# KiCad board CTS-SAT-2-OBC-PCB.kicad_pcb (continued)
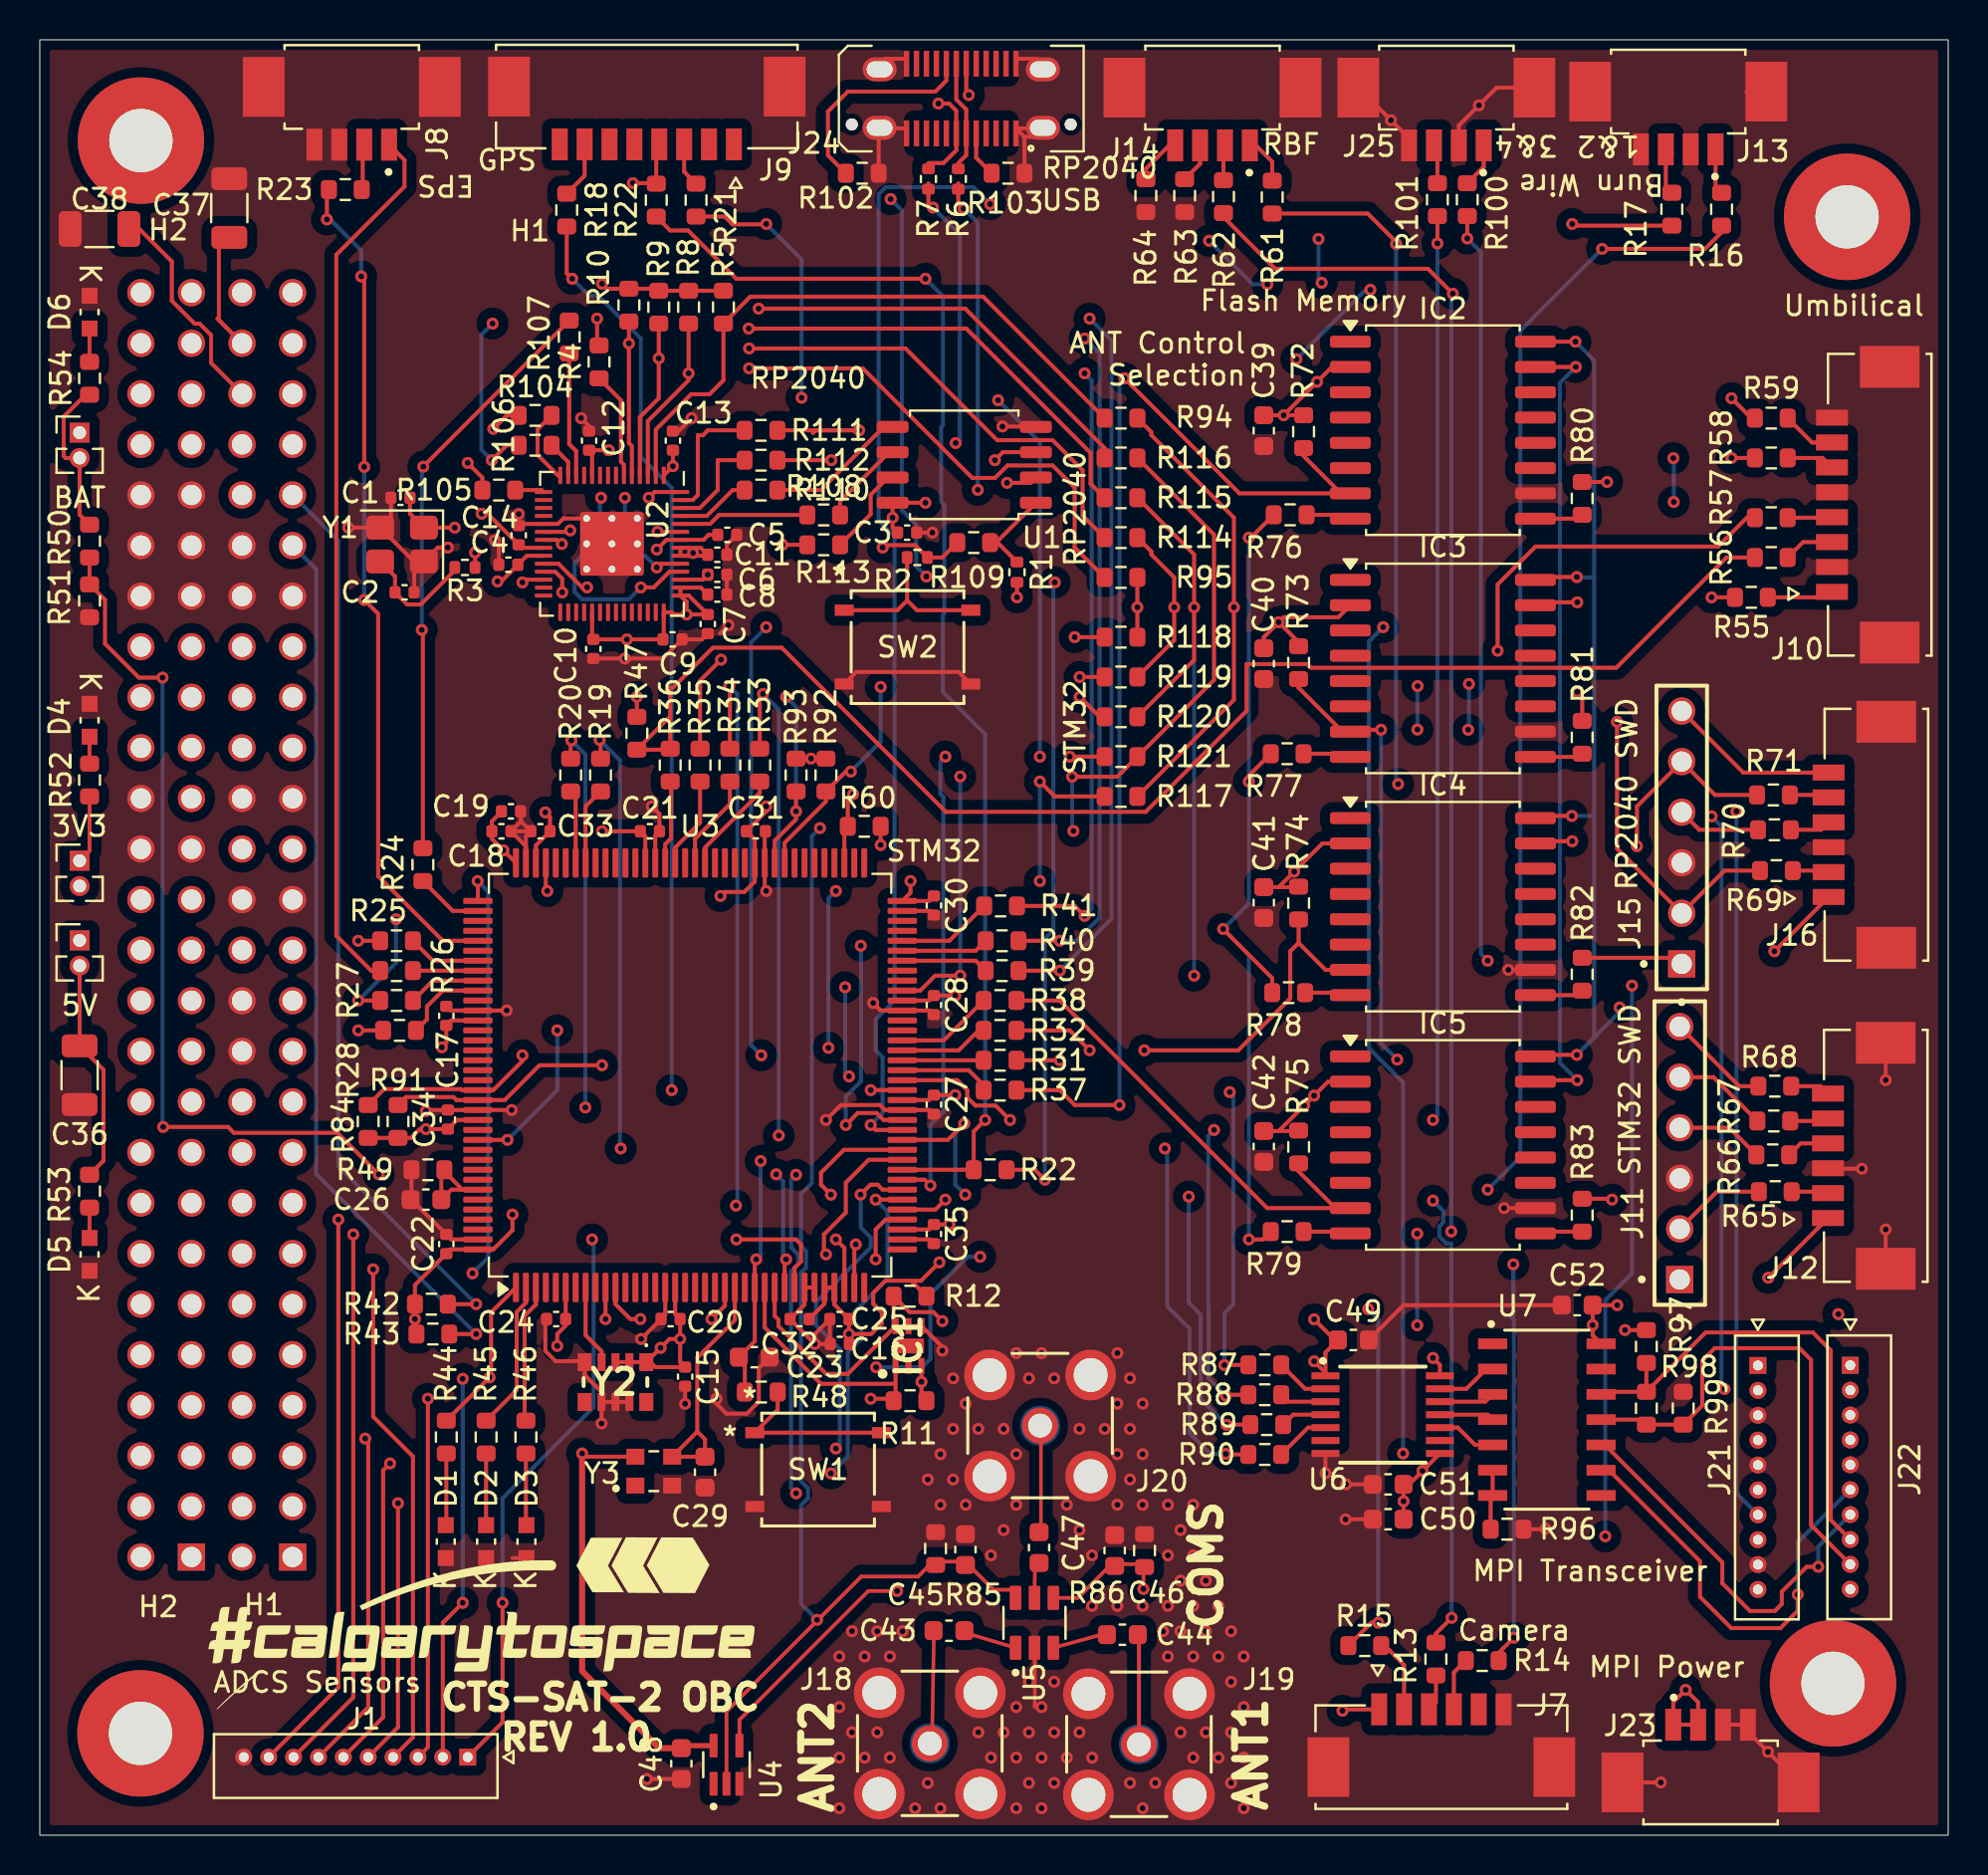
[diagram p0: board, top side]
## Library data of the parts (continued)
R61 R89 R90 = -: Description: 22 Ohms ±0.5% 0.063W, 1/16W Chip Resistor 0603 (1608 Metric) - Thin Film; COMPONENTLINK1DESCRIPTION: Datasheet; COMPONENTLINK1URL: https://www.vishay.com/docs/20035/dcrcwe3.pdf; COMPONENTLINK2DESCRIPTION: Manufacturer Website; DISTRIBUTOR: Digikey; DISTRIBUTOR PART #: RR08Q22DCT-ND; MANUFACTURER: Susumu; MANUFACTURER PART #: RR0816Q-220-D; PART DESCRIPTION: 22 Ohms ±0.5% 0.063W, 1/16W Chip Resistor 0603 (1608 Metric) - Thin Film; COMPONENTLINK2URL: https://www.vishay.com/; ki_fp_filters: *0603*
R85 R86 = -: Description: 10 kOhms ±0.1% 0.063W, 1/16W Chip Resistor 0603 (1608 Metric) - Thin Film; COMPONENTLINK1DESCRIPTION: Datasheet; COMPONENTLINK1URL: https://www.vishay.com/docs/20035/dcrcwe3.pdf; COMPONENTLINK2DESCRIPTION: Manufacturer Website; DISTRIBUTOR: Digikey; DISTRIBUTOR PART #: A119886CT-ND; MANUFACTURER: TE Connectivity Passive Product; MANUFACTURER PART #: CPF0603B10KE; PART DESCRIPTION: 10 kOhms ±0.1% 0.063W, 1/16W Chip Resistor 0603 (1608 Metric) - Thin Film; COMPONENTLINK2URL: https://www.vishay.com/; ki_fp_filters: *0603*
R96 R98 = -: Description: RES SMD 100 OHM 0.5% 1/16W 0603; DISTRIBUTOR: Digikey; DISTRIBUTOR PART #: RR08P100DCT-ND; MANUFACTURER: Susumu; MANUFACTURER PART #: RR08P100DCT-ND; PART DESCRIPTION: RES SMD 100 OHM 0.5% 1/16W 0603; ki_fp_filters: *0603*
R97 R99 = -: Description: RES SMD 1K OHM 1% 1/16W 0603; COMPONENTLINK1DESCRIPTION: Datasheet; COMPONENTLINK1URL: https://www.vishay.com/docs/20035/dcrcwe3.pdf; COMPONENTLINK2DESCRIPTION: Manufacturer Website; DISTRIBUTOR: Digikey; DISTRIBUTOR PART #: A102226CT-ND; MANUFACTURER: TE Connectivity Passive Product; MANUFACTURER PART #: CPF0603F1K0C1; PART DESCRIPTION: RES SMD 1K OHM 1% 1/16W 0603; COMPONENTLINK2URL: https://www.vishay.com/; ki_fp_filters: *0603*
SW1 SW2 = -: Description: Push button switch, generic, two pins
U1 = -: Datasheet: http://www.winbond.com/resource-files/w25q128jv_dtr%20revc%2003272018%20plus.pdf; ki_fp_filters: SOIC*5.23x5.23mm*P1.27mm*
U3 = -: Datasheet: https://www.st.com/resource/en/datasheet/stm32l4r5zi.pdf; Description: STMicroelectronics Arm Cortex-M4 MCU, 2048KB flash, 640KB RAM, 120 MHz, 1.71-3.6V, 115 GPIO, LQFP144; ki_fp_filters: LQFP*20x20mm*P0.5mm*
U4 = -: Description: IC INVERT SCHMITT 1CH 1IN SC70; DISTRIBUTOR: Digikey; MANUFACTURER: Texas Instruments; DISTRIBUTOR PART #: 296-11608-1-ND; LCSC PART #: C35740; Distributor: Digikey; Manufacturer: Texas Instruments; Distributor Part #: 296-11608-1-ND; LCSC Part #: C35740; ki_fp_filters: *U-SN74LVC1G14DCKR*
U5 = -: Description: 0Hz~4GHz 23dB 0.7dB SOT-23-6 RF Switches ROHS; MANUFACTURER: Analog Devices; MANUFACTURER PART #: HMC544AETR; DISTRIBUTOR: LCSC; DISTRIBUTOR PART #: C579555; LCSC PART #: C579555; Manufacturer: Analog Devices; Manufacturer Part #: HMC544AETR; Distributor: LCSC; Distributor Part #: C579555; LCSC Part #: C579555; ki_fp_filters: *U-HMC544AETR*
U6 = -: Description: IC TRNSLTR BIDIRECTIONAL 14TSSOP; MANUFACTURER PART #: MAX3378EEUD+T; MANUFACTURER: Maxim Integrated; DISTRIBUTOR: Digikey; DISTRIBUTOR PART #: MAX3378EEUD+TCT-ND; LCSC PART #: C143441; ki_fp_filters: *U-MAX3378EEUD+T*
U7 = -: Description: IC TRANSCEIVER FULL 1/1 14SOIC; MANUFACTURER: Maxim Integrated Products; DISTRIBUTOR: Digikey; DISTRIBUTOR PART #: MAX3086EESD+TCT-ND; TYPE: DEV; LCSC PART #: C2671104; ki_fp_filters: *U-MAX3086EESD+T*
Y1 = -: ki_fp_filters: Crystal*
Y2 = -: Datasheet: https://support.epson.biz/td/api/doc_check.php?dl=brief_TG-3541CE&lang=en; Description: 32.768 kHz TCXO CMOS Oscillator 1.5V ~ 5.5V Enable/Disable 10-SMD, No Lead; Height: 1; Mouser Part Number: 732-TG3541CE32768XB3; Mouser Price/Stock: https://www.mouser.co.uk/ProductDetail/Epson-Timing/TG-3541CE-32.7680KXB3?qs=PzGy0jfpSMvw8fWVlt%2F85g%3D%3D; Manufacturer_Name: Epson Timing; Manufacturer_Part_Number: TG-3541CE 32.7680KXB3
Y3 = -: DigiKey_Part_Number: XC2258CT-ND; SnapEDA_Link: https://www.snapeda.com/parts/ECS-TXO-2520-33-250-AN-TR/ECS/view-part/?ref=snap; Description_1: 25 MHz TCXO HCMOS Oscillator 3.3V Enable/Disable 4-SMD, No Lead; Package: SMD-4 ECS Inc.; Check_prices: https://www.snapeda.com/parts/ECS-TXO-2520-33-250-AN-TR/ECS/view-part/?ref=eda; STANDARD: Manufcaturer Recommendations; PARTREV: 2017; MF: ECS Inc.; MANUFACTURER: ECS INC

## Footprints (pads in the part's own frame, mm; a bottom-side part is the same pattern mirrored in y, then rotated)
C_0402_1005Metric
  rrect 0.56x0.62 smd: 1(-0.48,0) 2(0.48,0)
C_0603_1608Metric
  rrect 0.9x0.95 smd: 1(-0.775,0) 2(0.775,0)
C_1206_3216Metric
  rrect 1.15x1.8 smd: 1(-1.475,0) 2(1.475,0)
Crystal_SMD_3225-4Pin_3.2x2.5mm
  rrect 1.4x1.2 smd: 1(-1.1,-0.85) 2(1.1,-0.85) 3(1.1,0.85) 4(-1.1,0.85)
D-SML-D12U1WT86
  rect 0.8x0.8 smd: 1(-0.825,0) 2(0.825,0)
J-53261-0471
  rect 0.8x1.6 smd: 1(-1.875,0) 2(-0.625,0) 3(0.625,0) 4(1.875,0)
  rect 2.1x3 smd: S1(-4.425,-2.9) S2(4.425,-2.9)
J-252105
  round 2.55 hole 1.7: 0(-2.54,2.54) 0(-2.54,-2.54) 0(2.54,2.54) 0(2.54,-2.54)
  round 1.8 hole 1.2: 1(0,0)
J-0530471010
  rect 0.85x0.85 hole 0.5: 1(0,0)
  round 0.85 hole 0.5: 2(-1.25,0) 3(-2.5,0) 4(-3.75,0) 5(-5,0) 6(-6.25,0) 7(-7.5,0) 8(-8.75,0) 9(-10,0) 10(-11.25,0)
J-0532610671
  rect 0.8x1.6 smd: 1(-3.125,2.4) 2(-1.875,2.4) 3(-0.625,2.4) 4(0.625,2.4) 5(1.875,2.4) 6(3.125,2.4)
  rect 2.1x3 smd: S1(-5.675,-0.5) S2(5.675,-0.5)
J-532610871
  rect 0.8x1.6 smd: 1(-4.375,2.4) 2(-3.125,2.4) 3(-1.875,2.4) 4(-0.625,2.4) 5(0.625,2.4) 6(1.875,2.4) 7(3.125,2.4) 8(4.375,2.4)
  rect 2.1x3 smd: S1(-6.925,-0.5) S2(6.925,-0.5)
J-TSW-106-05-T-S
  rect 1.37x1.37 hole 1.02: 01(0,0)
  round 1.37 hole 1.02: 02(2.54,0) 03(5.08,0) 04(7.62,0) 05(10.16,0) 06(12.7,0)
LQFP-144_20x20mm_P0.5mm
  rrect 1.475x0.3 smd: 1(-10.662,8.75) 2(-10.662,8.25) 3(-10.662,7.75) 4(-10.662,7.25) 5(-10.662,6.75) 6(-10.662,6.25) 7(-10.662,5.75) 8(-10.662,5.25) 9(-10.662,4.75) 10(-10.662,4.25) 11(-10.662,3.75) 12(-10.662,3.25) 13(-10.662,2.75) 14(-10.662,2.25) 15(-10.662,1.75) 16(-10.662,1.25) 17(-10.662,0.75) 18(-10.662,0.25) 19(-10.662,-0.25) 20(-10.662,-0.75) 21(-10.662,-1.25) 22(-10.662,-1.75) 23(-10.662,-2.25) 24(-10.662,-2.75) 25(-10.662,-3.25) 26(-10.662,-3.75) 27(-10.662,-4.25) 28(-10.662,-4.75) 29(-10.662,-5.25) 30(-10.662,-5.75) 31(-10.662,-6.25) 32(-10.662,-6.75) 33(-10.662,-7.25) 34(-10.662,-7.75) 35(-10.662,-8.25) 36(-10.662,-8.75) 73(10.662,-8.75) 74(10.662,-8.25) 75(10.662,-7.75) 76(10.662,-7.25) 77(10.662,-6.75) 78(10.662,-6.25) 79(10.662,-5.75) 80(10.662,-5.25) 81(10.662,-4.75) 82(10.662,-4.25) 83(10.662,-3.75) 84(10.662,-3.25) 85(10.662,-2.75) 86(10.662,-2.25) 87(10.662,-1.75) 88(10.662,-1.25) 89(10.662,-0.75) 90(10.662,-0.25) 91(10.662,0.25) 92(10.662,0.75) 93(10.662,1.25) 94(10.662,1.75) 95(10.662,2.25) 96(10.662,2.75) 97(10.662,3.25) 98(10.662,3.75) 99(10.662,4.25) 100(10.662,4.75) 101(10.662,5.25) 102(10.662,5.75) 103(10.662,6.25) 104(10.662,6.75) 105(10.662,7.25) 106(10.662,7.75) 107(10.662,8.25) 108(10.662,8.75)
  rrect 0.3x1.475 smd: 37(-8.75,-10.662) 38(-8.25,-10.662) 39(-7.75,-10.662) 40(-7.25,-10.662) 41(-6.75,-10.662) 42(-6.25,-10.662) 43(-5.75,-10.662) 44(-5.25,-10.662) 45(-4.75,-10.662) 46(-4.25,-10.662) 47(-3.75,-10.662) 48(-3.25,-10.662) 49(-2.75,-10.662) 50(-2.25,-10.662) 51(-1.75,-10.662) 52(-1.25,-10.662) 53(-0.75,-10.662) 54(-0.25,-10.662) 55(0.25,-10.662) 56(0.75,-10.662) 57(1.25,-10.662) 58(1.75,-10.662) 59(2.25,-10.662) 60(2.75,-10.662) 61(3.25,-10.662) 62(3.75,-10.662) 63(4.25,-10.662) 64(4.75,-10.662) 65(5.25,-10.662) 66(5.75,-10.662) 67(6.25,-10.662) 68(6.75,-10.662) 69(7.25,-10.662) 70(7.75,-10.662) 71(8.25,-10.662) 72(8.75,-10.662) 109(8.75,10.662) 110(8.25,10.662) 111(7.75,10.662) 112(7.25,10.662) 113(6.75,10.662) 114(6.25,10.662) 115(5.75,10.662) 116(5.25,10.662) 117(4.75,10.662) 118(4.25,10.662) 119(3.75,10.662) 120(3.25,10.662) 121(2.75,10.662) 122(2.25,10.662) 123(1.75,10.662) 124(1.25,10.662) 125(0.75,10.662) 126(0.25,10.662) 127(-0.25,10.662) 128(-0.75,10.662) 129(-1.25,10.662) 130(-1.75,10.662) 131(-2.25,10.662) 132(-2.75,10.662) 133(-3.25,10.662) 134(-3.75,10.662) 135(-4.25,10.662) 136(-4.75,10.662) 137(-5.25,10.662) 138(-5.75,10.662) 139(-6.25,10.662) 140(-6.75,10.662) 141(-7.25,10.662) 142(-7.75,10.662) 143(-8.25,10.662) 144(-8.75,10.662)
OSC_ECS-TXO-2520-33-250-AN-TR
  rect 0.9x0.8 smd: 1(-0.925,-0.725) 2(0.925,-0.725) 3(0.925,0.725) 4(-0.925,0.725)
PC104 MOUNTING POINTS
  round 6.35 hole 3.18: 1(-0.71,0.006)
PC104 MOUNTING POINTS#2
  round 6.35 hole 3.18: 1(-0.022,0.034)
PinHeader_1x02_P1.27mm_Vertical
  rect 1x1 hole 0.65: 1(0,0)
  round 1 hole 0.65: 2(0,-1.27)
R_0402_1005Metric
  rrect 0.54x0.64 smd: 1(-0.51,0) 2(0.51,0)
R_0603_1608Metric
  rrect 0.8x0.95 smd: 1(-0.825,0) 2(0.825,0)
RP2040-QFN-56
  rrect 1.084x1.084 smd: (-0.637,0.637) (-0.637,-0.637) (0.637,0.637) (0.637,-0.637)
  rrect 0.875x0.2 smd: 1(-3.438,2.6) 2(-3.438,2.2) 3(-3.438,1.8) 4(-3.438,1.4) 5(-3.438,1) 6(-3.438,0.6) 7(-3.438,0.2) 8(-3.438,-0.2) 9(-3.438,-0.6) 10(-3.438,-1) 11(-3.438,-1.4) 12(-3.438,-1.8) 13(-3.438,-2.2) 14(-3.438,-2.6) 29(3.438,-2.6) 30(3.438,-2.2) 31(3.438,-1.8) 32(3.438,-1.4) 33(3.438,-1) 34(3.438,-0.6) 35(3.438,-0.2) 36(3.438,0.2) 37(3.438,0.6) 38(3.438,1) 39(3.438,1.4) 40(3.438,1.8) 41(3.438,2.2) 42(3.438,2.6)
  rrect 0.2x0.875 smd: 15(-2.6,-3.438) 16(-2.2,-3.438) 17(-1.8,-3.438) 18(-1.4,-3.438) 19(-1,-3.438) 20(-0.6,-3.438) 21(-0.2,-3.438) 22(0.2,-3.438) 23(0.6,-3.438) 24(1,-3.438) 25(1.4,-3.438) 26(1.8,-3.438) 27(2.2,-3.438) 28(2.6,-3.438) 43(2.6,3.438) 44(2.2,3.438) 45(1.8,3.438) 46(1.4,3.438) 47(1,3.438) 48(0.6,3.438) 49(0.2,3.438) 50(-0.2,3.438) 51(-0.6,3.438) 52(-1,3.438) 53(-1.4,3.438) 54(-1.8,3.438) 55(-2.2,3.438) 56(-2.6,3.438)
  round 0.6 hole 0.35: 57(-1.275,1.275) 57(-1.275,0) 57(-1.275,-1.275) 57(0,1.275) 57(0,0) 57(0,-1.275) 57(1.275,1.275) 57(1.275,0) 57(1.275,-1.275)
  rrect 3.2x3.2 smd: 57(0,0)
SAMTEC_ESQ-126-14-G-D
  rect 1.37x1.37 hole 1.02: 01(0,0)
  round 1.37 hole 1.02: 02(0,2.54) 03(-2.54,0) 04(-2.54,2.54) 05(-5.08,0) 06(-5.08,2.54) 07(-7.62,0) 08(-7.62,2.54) 09(-10.16,0) 10(-10.16,2.54) 11(-12.7,0) 12(-12.7,2.54) 13(-15.24,0) 14(-15.24,2.54) 15(-17.78,0) 16(-17.78,2.54) 17(-20.32,0) 18(-20.32,2.54) 19(-22.86,0) 20(-22.86,2.54) 21(-25.4,0) 22(-25.4,2.54) 23(-27.94,0) 24(-27.94,2.54) 25(-30.48,0) 26(-30.48,2.54) 27(-33.02,0) 28(-33.02,2.54) 29(-35.56,0) 30(-35.56,2.54) 31(-38.1,0) 32(-38.1,2.54) 33(-40.64,0) 34(-40.64,2.54) 35(-43.18,0) 36(-43.18,2.54) 37(-45.72,0) 38(-45.72,2.54) 39(-48.26,0) 40(-48.26,2.54) 41(-50.8,0) 42(-50.8,2.54) 43(-53.34,0) 44(-53.34,2.54) 45(-55.88,0) 46(-55.88,2.54) 47(-58.42,0) 48(-58.42,2.54) 49(-60.96,0) 50(-60.96,2.54) 51(-63.5,0) 52(-63.5,2.54)
SMT_FS
  rect 0.953x0.559 smd: 1(-3.181,1.854) 2(3.181,1.854) 3(-3.181,-1.854) 4(3.181,-1.854)
SOIC-8_5.23x5.23mm_P1.27mm
  rrect 1.6x0.6 smd: 1(-3.6,1.905) 2(-3.6,0.635) 3(-3.6,-0.635) 4(-3.6,-1.905) 5(3.6,-1.905) 6(3.6,-0.635) 7(3.6,0.635) 8(3.6,1.905)
SOIC-16W_7.5x10.3mm_P1.27mm
  rrect 2.05x0.6 smd: 1(-4.65,4.445) 2(-4.65,3.175) 3(-4.65,1.905) 4(-4.65,0.635) 5(-4.65,-0.635) 6(-4.65,-1.905) 7(-4.65,-3.175) 8(-4.65,-4.445) 9(4.65,-4.445) 10(4.65,-3.175) 11(4.65,-1.905) 12(4.65,-0.635) 13(4.65,0.635) 14(4.65,1.905) 15(4.65,3.175) 16(4.65,4.445)
SON65P200X200X55-7N-D
  rect 0.8x0.3 smd: 1(-1,0.65) 2(-1,0) 3(-1,-0.65) 4(1,-0.65) 5(1,0) 6(1,0.65)
  rect 0.75x1.55 smd: 7(0,0)
TG3541CE327680KXB3
  rect 0.7x0.9 smd: 1(-1.55,-1) 5(1.55,-1) 6(1.55,1) 10(-1.55,1)
  rect 0.4x0.9 smd: 2(-0.7,-1) 3(0,-1) 4(0.7,-1) 7(0.7,1) 8(0,1) 9(-0.7,1)
U-HMC544AETR
  rrect 1.21x0.58 smd: 1(-1.255,0.95) 2(-1.255,0) 3(-1.255,-0.95) 4(1.255,-0.95) 5(1.255,0) 6(1.255,0.95)
U-MAX3086EESD+T
  rect 1.46x0.533 smd: 1(-2.724,3.81) 2(-2.724,2.54) 3(-2.724,1.27) 4(-2.724,0) 5(-2.724,-1.27) 6(-2.724,-2.54) 7(-2.724,-3.81) 8(2.724,-3.81) 9(2.724,-2.54) 10(2.724,-1.27) 11(2.724,0) 12(2.724,1.27) 13(2.724,2.54) 14(2.724,3.81)
U-MAX3378EEUD+T
  rect 0.35x1.4 smd: 1(-1.95,-2.875) 2(-1.3,-2.875) 3(-0.65,-2.875) 4(0,-2.875) 5(0.65,-2.875) 6(1.3,-2.875) 7(1.95,-2.875) 8(1.95,2.875) 9(1.3,2.875) 10(0.65,2.875) 11(0,2.875) 12(-0.65,2.875) 13(-1.3,2.875) 14(-1.95,2.875)
U-SN74LVC1G14DCKR
  rrect 1.19x0.4 smd: 1(-0.96,0.65) 2(-0.96,0) 3(-0.96,-0.65) 4(0.96,-0.65) 5(0.96,0.65)
USB_C_Receptacle_JAE_DX07S024WJ3R400
  round 0.6 hole 0.6 unplated: (-5.5,1.3) (5.5,1.3)
  rect 0.27x1.3 smd: A1(-2.75,1.75) A2(-2.25,1.75) A3(-1.75,1.75) A4(-1.25,1.75) A5(-0.75,1.75) A6(-0.25,1.75) A7(0.25,1.75) A8(0.75,1.75) A9(1.25,1.75) A10(1.75,1.75) A11(2.25,1.75) A12(2.75,1.75) B1(2.75,-1.75) B2(2.25,-1.75) B3(1.75,-1.75) B4(1.25,-1.75) B5(0.75,-1.75) B6(0.25,-1.75) B7(-0.25,-1.75) B8(-0.75,-1.75) B9(-1.25,-1.75) B10(-1.75,-1.75) B11(-2.25,-1.75) B12(-2.75,-1.75)
  oval 1.7x1.2 hole 1.3x0.8: S1(-4.1,1.47) S1(-4.1,-1.47) S1(4.1,1.47) S1(4.1,-1.47)

## Nets
12V_MPI: J22.1 J22.2 J23.1 J23.2
+1V1: C4.1 C5.1 C6.1 U2.23 U2.45 U2.50
+3V3: C3.1 C7.1 C8.1 C9.1 C10.1 C11.1 C12.1 C13.1 C14.1 C15.1 C16.1 C17.1 C18.1 C19.1 C20.1 C21.1 C22.1 C24.1 C25.1 C27.1 C28.1 C30.1 C31.1 C32.1 C33.1 C34.1 C35.1 C39.2 C40.2 C41.2 C42.2 C48.2 C50.2 C51.1 IC1.3 IC2.2 IC3.2 IC4.2 IC5.2 J2.1 J11.01 J12.1 J15.01 J16.1 R1.2 R5.1 R8.1 R9.1 R10.1 R11.1 R12.1 R42.2 R43.2 R47.1 R52.1 R58.2 R60.2 R72.1 R73.1 R74.1 R75.1 R80.2 R81.2 R82.2 R83.2 R84.2 R91.2 R92.2 R93.2 U1.8 U2.1 U2.10 U2.22 U2.33 U2.42 U2.43 U2.44 U2.48 U2.49 U3.6 U3.17 U3.32 U3.33 U3.39 U3.52 U3.62 U3.72 U3.84 U3.95 U3.106 U3.108 U3.121 U3.131 U3.144 U4.5 U6.8 U6.14 Y2.1 Y2.2 Y2.3 Y3.4
+5V: C36.1 C49.1 C52.1 J6.2 R53.1 R59.2 R97.2 U6.1 U7.14
/Antenna/3V3_ANT_DEPLOY: C37.1 J3.50 J21.1 J21.6
/Connectors/3V3_CAM: C38.1 J3.48 J7.1
/Connectors/3V3_IN: J2.2 J4.27 J4.28
/Connectors/5V0_MPI: J3.51 J22.4
/Connectors/5V_IN: J4.25 J4.26 J6.1
/Connectors/VBAT_MONITOR: R50.2 R51.1 U3.28
GND: C1.2 C2.2 C3.2 C4.2 C5.2 C6.2 C7.2 C8.2 C9.2 C10.2 C11.2 C12.2 C13.2 C14.2 C15.2 C16.2 C17.2 C18.2 C19.2 C20.2 C21.2 C22.2 C23.2 C24.2 C25.2 C26.2 C27.2 C28.2 C29.2 C30.2 C31.2 C32.2 C33.2 C34.2 C35.2 C36.2 C37.2 C38.2 C39.1 C40.1 C41.1 C42.1 C45.2 C46.1 C48.1 C49.2 C50.1 C51.2 C52.2 D1.1 D2.1 D3.1 D4.1 D5.1 D6.1 IC1.4 IC1.5 IC2.10 IC3.10 IC4.10 IC5.10 J1.10 J3.22 J3.24 J3.27 J3.28 J3.31 J3.32 J3.39 J3.40 J3.42 J4.29 J4.30 J4.32 J4.39 J4.40 J4.41 J4.42 J4.43 J4.44 J7.6 J7.S1 J7.S2 J8.3 J8.4 J8.S1 J8.S2 J9.S1 J9.S2 J10.2 J10.5 J10.8 J10.S1 J10.S2 J11.03 J12.3 J12.S1 J12.S2 J13.2 J13.4 J13.S1 J13.S2 J14.S1 J14.S2 J15.03 J16.3 J16.S1 J16.S2 J18.0 J19.0 J20.0 J21.3 J21.5 J21.9 J22.3 J22.5 J23.3 J23.4 J23.S1 J23.S2 J24.A1 J24.A12 J24.B1 J24.B12 J24.S1 J25.2 J25.4 J25.S1 J25.S2 R49.2 R51.2 R63.1 R64.1 R85.2 R86.1 R96.1 R99.1 R102.2 R103.2 SW1.3 SW1.4 SW2.3 SW2.4 U1.4 U2.19 U2.57 U3.16 U3.30 U3.31 U3.38 U3.51 U3.61 U3.71 U3.83 U3.94 U3.107 U3.120 U3.130 U3.143 U4.3 U5.2 U6.7 Y1.2 Y1.4 Y2.5 Y2.7 Y2.8 Y2.9 Y3.2
+BATT: J5.2 R50.1 R54.1 R55.1
/Antenna/ANT_I2C0_SCL: J21.7 R95.1 R118.1
/Antenna/ANT_I2C0_SDA: J21.2 R94.1 R117.1
/Antenna/ANT_I2C1_SCL: J21.8 R115.1 R120.1
/Antenna/ANT_I2C1_SDA: J21.4 R114.1 R119.1
/Antenna/N_UHF_CTRL: C46.2 R86.2 U4.4 U5.4
/Antenna/UHF_CTRL: C45.1 R85.1 R116.1 R121.1 U4.2 U5.6
/Connectors/ADCS_UART_RX: J3.33
/Connectors/ADCS_UART_TX: J3.35
/Connectors/BATT_IN: J4.45 J4.46 J5.1
/Connectors/BOOM_CTRL_1: J13.1 R16.2
/Connectors/BOOM_CTRL_2: J13.3 R17.2
/Connectors/BOOM_CTRL_3: J25.1 R100.2
/Connectors/BOOM_CTRL_4: J25.3 R101.2
/Connectors/CAM_EN: J7.2 R15.2
/Connectors/DEBUG_LED: R44.1 R62.1 U3.1
/Connectors/GPS_PPS: J9.7 R18.1
/Connectors/MISO_LPUART1_RX: R36.1 R47.2 R56.1
/Connectors/MISO_UART4_RX: J7.4 R14.2
/Connectors/MISO_UART5_RX: J8.1 R26.1
/Connectors/MISO_USART3_RX: J9.4 R22.2 R22#2.2
/Connectors/MOSI_LPUART1_TX: R35.2 R57.1
/Connectors/MOSI_UART4_TX: J7.3 R13.2
/Connectors/MOSI_UART5_TX: J8.2 R23.2
/Connectors/MOSI_USART3_TX: J9.3 R21.2
/Connectors/RBF_1: R60.1 R61.1 U3.75
/Connectors/RP2040_NRST: J15.05 R71.1 U2.26
/Connectors/RP2040_SWCLK: J15.02 R69.1 U2.24
/Connectors/RP2040_SWDIO: J15.04 R70.1 U2.25
/Connectors/STM32_NRST: C23.1 J11.05 R48.1 R67.1 U3.25
/Connectors/STM32_SWCLK: J11.02 R65.1 U3.109
/Connectors/STM32_SWDIO: J11.04 R66.1 U3.105
/Connectors/STM32_SWO: J11.06 R68.1 U3.133
/Connectors/SWO: J15.06 J16.6
/Memory/SPI_FLASH_MISO: R27.1 R76.2 R77.2 R78.2 R79.2
/Memory/SPI_FLASH_MOSI: IC2.15 IC3.15 IC4.15 IC5.15 R28.1
/Memory/SPI_FLASH_SCLK: IC2.16 IC3.16 IC4.16 IC5.16 R25.1
/Memory/SPI_NCS_FLASH_0: IC2.7 R37.2 R72.2
/Memory/SPI_NCS_FLASH_1: IC3.7 R31.2 R73.2
/Memory/SPI_NCS_FLASH_2: IC4.7 R32.2 R74.2
/Memory/SPI_NCS_FLASH_3: IC5.7 R38.2 R75.2
/MPI/MISO_MPI_RX_N: J22.9 R98.1 R99.2 U7.11
/MPI/MISO_MPI_RX_NEN: R33.2 R88.1
/MPI/MISO_MPI_RX_P: J22.8 R97.1 R98.2 U7.12
/MPI/MISO_USART1_RX: R20.2 R87.1
/MPI/MOSI_MPI_TX_EN: R34.2 R89.2
/MPI/MOSI_MPI_TX_N: J22.7 U7.10
/MPI/MOSI_MPI_TX_P: J22.6 U7.9
/MPI/MOSI_USART1_TX: R19.2 R90.2
/RP2040/I2C0_SCL: R8.2 R95.2 U2.3
/RP2040/I2C0_SDA: R5.2 R94.2 U2.2
/RP2040/I2C1_SCL: R10.2 R115.2 U2.5
/RP2040/I2C1_SDA: R9.2 R114.2 U2.4
/RP2040/RP2040_MEM_SCLK: R108.2 U1.6
/RP2040/SPI1_CS0: R24.1 R107.1
/RP2040/SPI1_RX: R41.2 R105.1
/RP2040/SPI1_SCK: R39.2 R106.1
/RP2040/SPI1_TX: R40.2 R104.1
/RP2040/UHF_CTL: R4.2 R116.2
/RP2040/USB_D+: J24.A6 J24.B6 R6.1
/RP2040/USB_D-: J24.A7 J24.B7 R7.1
/RP2040/~{BOOTSEL}: R2.2 SW2.1 SW2.2
/STM32/ADC1_IN4: J1.1 U3.29
/STM32/ADC1_IN9: J1.4 U3.40
/STM32/ADC1_IN10: J1.5 U3.41
/STM32/ADC1_IN11: J1.6 U3.42
/STM32/ADC1_IN12: J1.7 U3.43
/STM32/ADC1_IN15: J1.8 U3.46
/STM32/ADC1_IN16: J1.9 U3.47
/STM32/BOOT0: C26.1 R49.1 U3.138
/STM32/I2C1_SCL: R91.1 R118.2 U3.129
/STM32/I2C1_SDA: R84.1 R117.2 U3.128
/STM32/I2C2_SCL: J3.43 R42.1 U3.11
/STM32/I2C2_SDA: J3.41 R43.1 U3.10
/STM32/I2C3_SCL: IC1.1 J1.3 R11.2 U3.26
/STM32/I2C3_SDA: IC1.6 J1.2 R12.2 U3.27
/STM32/I2C4_SCL: R92.1 R120.2 U3.81
/STM32/I2C4_SDA: R93.1 R119.2 U3.82
/STM32/OSC32_IN: U3.8 Y2.4
/STM32/OSC_IN: C29.1 U3.23 Y3.3
/STM32/STM_UHF_CTL: R121.2 U3.63
Net*1_1: *1.1
Net*2_1: *2.1
Net*3_1: *3.1
Net*4_1: *4.1
Net-(C2-Pad1): C2.1 R3.2 Y1.3
Net-(C43-Pad1): C43.1 J18.1
Net-(C44-Pad1): C44.1 J19.1
Net-(C47-Pad2): C47.2 J20.1
Net-(D1-A): D1.2 R44.2
Net-(D2-A): D2.2 R45.2
Net-(D3-A): D3.2 R46.2
Net-(D4-A): D4.2 R52.2
Net-(D5-A): D5.2 R53.2
Net-(D6-A): D6.2 R54.2
Net-(IC2-SO/IO1): IC2.8 R76.1
Net-(IC2-WP#/IO2): IC2.9 R80.1
Net-(IC3-SO/IO1): IC3.8 R77.1
Net-(IC3-WP#/IO2): IC3.9 R81.1
Net-(IC4-SO/IO1): IC4.8 R78.1
Net-(IC4-WP#/IO2): IC4.9 R82.1
Net-(IC5-SO/IO1): IC5.8 R79.1
Net-(IC5-WP#/IO2): IC5.9 R83.1
Net-(J10-Pad1): J10.1 R55.2
Net-(J10-Pad3): J10.3 R56.2
Net-(J10-Pad4): J10.4 R57.2
Net-(J10-Pad6): J10.6 R58.1
Net-(J10-Pad7): J10.7 R59.1
Net-(J12-Pad2): J12.2 R65.2
Net-(J12-Pad4): J12.4 R66.2
Net-(J12-Pad5): J12.5 R67.2
Net-(J12-Pad6): J12.6 R68.2
Net-(J14-Pad1): J14.1 R61.2
Net-(J14-Pad2): J14.2 R62.2
Net-(J14-Pad3): J14.3 R63.2
Net-(J14-Pad4): J14.4 R64.2
Net-(J16-Pad2): J16.2 R69.2
Net-(J16-Pad4): J16.4 R70.2
Net-(J16-Pad5): J16.5 R71.2
Net-(J24-CC1): J24.A5 R103.1
Net-(J24-CC2): J24.B5 R102.1
Net-(R48-Pad2): R48.2 SW1.1 SW1.2
Net-(R96-Pad2): R96.2 U7.6 U7.7
Net-(U1-DI(IO0)): R110.2 U1.5
Net-(U1-DO(IO1)): R111.2 U1.2
Net-(U1-IO2): R112.2 U1.3
Net-(U1-IO3): R113.2 U1.7
Net-(U1-~{CS}): R1.1 R109.2 U1.1
Net-(U2-GPIO4): R4.1 U2.6
Net-(U2-GPIO9): R107.2 U2.12
Net-(U2-GPIO10): R106.2 U2.13
Net-(U2-GPIO11): R104.2 U2.14
Net-(U2-GPIO12): R105.2 U2.15
Net-(U2-QSPI_SCLK): R108.1 U2.52
Net-(U2-QSPI_SD0): R110.1 U2.53
Net-(U2-QSPI_SD1): R111.1 U2.55
Net-(U2-QSPI_SD2): R112.1 U2.54
Net-(U2-QSPI_SD3): R113.1 U2.51
Net-(U2-QSPI_SS): R2.1 R109.1 U2.56
Net-(U2-USB_DM): R7.2 U2.46
Net-(U2-USB_DP): R6.2 U2.47
Net-(U2-XIN): C1.1 U2.20 Y1.1
Net-(U2-XOUT): R3.1 U2.21
Net-(U3-PA0): R13.1 U3.34
Net-(U3-PA1): R14.1 U3.35
Net-(U3-PA9): R19.1 U3.101
Net-(U3-PA10): R20.1 U3.102
Net-(U3-PA15): R24.2 U3.110
Net-(U3-PB2): R16.1 U3.48
Net-(U3-PC4): R21.1 U3.44
Net-(U3-PC5): R22.1 R22#2.1 U3.45
Net-(U3-PC12): R23.1 U3.113
Net-(U3-PD1): R25.2 U3.115
Net-(U3-PD2): R26.2 U3.116
Net-(U3-PD3): R27.2 U3.117
Net-(U3-PD4): R28.2 U3.118
Net-(U3-PD5): U3.119
Net-(U3-PD6): U3.122
Net-(U3-PE3): R45.1 U3.2
Net-(U3-PE4): R46.1 U3.3
Net-(U3-PE7): R38.1 U3.58
Net-(U3-PE13): R39.1 U3.66
Net-(U3-PE14): R40.1 U3.67
Net-(U3-PE15): R41.1 U3.68
Net-(U3-PF10): R15.1 U3.22
Net-(U3-PF11): R17.1 U3.49
Net-(U3-PF12): R100.1 U3.50
Net-(U3-PF13): R18.2 U3.53
Net-(U3-PF14): R101.1 U3.54
Net-(U3-PF15): R37.1 U3.55
Net-(U3-PG0): R31.1 U3.56
Net-(U3-PG1): R32.1 U3.57
Net-(U3-PG4): R33.1 U3.89
Net-(U3-PG5): R34.1 U3.90
Net-(U3-PG7): R35.1 U3.92
Net-(U3-PG8): R36.2 U3.93
Net-(U5-RF1): C44.2 U5.3
Net-(U5-RF2): C43.2 U5.1
Net-(U5-RFC): C47.1 U5.5
Net-(U6-IO_VCC1): U6.13 U7.2
Net-(U6-IO_VCC2): U6.12 U7.3
Net-(U6-IO_VCC3): U6.11 U7.4
Net-(U6-IO_VCC4): U6.10 U7.5
Net-(U6-IO_VL1): R87.2 U6.2
Net-(U6-IO_VL2): R88.2 U6.3
Net-(U6-IO_VL3): R89.1 U6.4
Net-(U6-IO_VL4): R90.1 U6.5

Pads without a net: IC1 2 7; IC2 1 3 4 5 6 11 12 13 14; IC3 1 3 4 5 6 11 12 13 14; IC4 1 3 4 5 6 11 12 13 14; IC5 1 3 4 5 6 11 12 13 14; J3 01 02 03 04 05 06 07 08 09 10 11 12 13 14 15 16 17 18 19 20 21 23 25 26 29 30 34 36 37 38 44 45 46 47 49 52; J4 01 02 03 04 05 06 07 08 09 10 11 12 13 14 15 16 17 18 19 20 21 22 23 24 31 33 34 35 36 37 38 47 48 49 50 51 52; J7 5; J9 1 2 5 6 8; J21 10; J22 10; J24 A2 A3 A4 A8 A9 A10 A11 B2 B3 B4 B8 B9 B10 B11; U2 7 8 9 11 16 17 18 27 28 29 30 31 32 34 35 36 37 38 39 40 41; U3 4 5 7 9 12 13 14 15 18 19 20 21 24 36 37 59 60 64 65 69 70 73 74 76 77 78 79 80 85 86 87 88 91 96 97 98 99 100 103 104 111 112 114 123 124 125 126 127 132 134 135 136 137 139 140 141 142; U4 1; U6 6 9; U7 1 8 13; Y2 6 10; Y3 1

## Via types
v1: diameter 0.6, hole 0.3, Top to Bottom, 433 vias

## Routing (per net, layer and track width the routed paths; a pad name or vN(x,y) marks a point on that pad's centre or on a via; arc(x,y) is an arc through that point)
12V_MPI: length 29.5
  Top w0.2: 83.32,6.67 J23.2 J23.1 82.07,6.67 v1(82.7,7.3) 83.32,6.67
  In3.Cu w0.2: v1(82.7,7.3) 85.05,9.65 90.25,9.65 92.74,12.14 92.74,20.58 J22.2 J22.1
+1V1: length 19.4
  Top w0.2: U2.23 24.47,64.26 C4.1 23.19,62.97 v1(23,62.97) ; v1(31,64.57) 31.49,65.06 U2.50 33.35,65.06 33.6,65.31 C5.1 ; U2.45 33.31,63.06 v1(33.56,63.31)
  In2.Cu w0.2: v1(33.56,63.31) 33.46,63.31 33,63.77 31.8,63.77 v1(31,64.57) 30.68,64.25 26.48,64.25 25.75,63.52 23.55,63.52 v1(23,62.97)
+3V3: length 219.6
  Top w0.2: R82.2 82.19,44.06 ; C12.1 v1(28.59,69.56) ; Y2.3 Y2.2 Y2.1 v1(31.19,24.48) 31.64,24.92 v1(32.18,24.92) ; 23.92,48.83 v1(23.29,49.46) 22.72,50.04 22.72,50.92 23.22,51.42 ; 31,77.67 R10.1 28.5,77.67 v1(28.25,77.92) ; C32.1 39.43,26.69 U3.32 U3.33 39.93,26.65 C25.1 v1(40.66,25.17) ; C14.1 22.5,66.37 v1(22.2,66.37) ; v1(62.25,60.92) 63.25,59.92 ; v1(62.25,60.92) 61.5,60.17 61.5,59.61 ; v1(62.25,60.92) 62.5,61.17 65.25,61.17 IC3.2 ; 30.68,23.76 30.93,23.51 C15.1 32.18,23.76 v1(32.18,24.92) ; v1(32.18,24.92) 32.18,25.92 31.93,26.17 U3.17 ; v1(26,24.57) 26,25.17 26.42,25.59 C24.1 26.42,27.51 ; R92.2 v1(38.75,54.07) R93.2 ; 24.92,48.83 24.92,49.71 C33.1 25.64,51.13 v1(25.4,51.37) ; U3.39 44.68,30.42 C35.1 v1(45.7,30.67) ; U2.1 v1(31.81,68.76) C13.1 ; v1(77.25,57.42) 77.5,57.17 R81.2 ; 45.6,42.17 v1(46,42.17) ; 45.6,42.17 C28.1 44.68,41.92 U3.62 ; 45.6,42.17 45.8,42.17 ; v1(87.16,44.39) J16.1 ; U3.121 20.67,40.92 C17.1 20.42,39.79 v1(20.2,39.57) ; R60.2 v1(42.25,49.73) ; v1(32.5,61.31) 31.86,61.31 31.75,61.42 U2.42 31.35,60.09 ; v1(32.5,61.31) C7.1 32.61,62.26 U2.43 ; v1(32.5,61.31) 32.5,61.94 U2.43 ; U6.8 v1(69.47,18.29) 68.8,17.62 ; R52.1 2.5,49.44 J2.1 ; v1(23.75,31.17) 23.75,30.39 22.78,29.42 U3.144 20.64,29.42 C22.1 18.85,27.63 R42.2 v1(18.85,25.92) 18.85,25.24 ; 62.25,35.36 v1(63.53,36.64) v1(64.03,37.14) 64.73,37.84 IC5.2 ; 62.25,35.36 C42.2 ; 62.25,35.36 63.22,35.36 ; C11.1 33.21,64.66 U2.49 U2.48 32.68,64.26 v1(32.82,64.4) 32.96,64.26 33.51,64.26 ; v1(40.66,25.17) 41.77,25.17 42.31,25.71 42.31,26.26 41.88,26.69 41.88,27.24 42.49,27.85 43.77,27.85 ; v1(40.66,25.17) 40.66,24.69 ; C9.1 v1(29.5,60.06) C10.1 ; R83.2 78.96,31.96 v1(79,31.92) ; 43.35,66.92 v1(44.5,66.92) ; R84.2 R91.2 18.65,35.02 19.09,35.46 v1(19.4,35.46) C34.1 20.96,35.92 U3.131 ; R58.2 v1(85,69.17) ; v1(62.5,71.31) v1(64.18,72.99) 64.93,73.74 ; v1(62.5,71.31) 61.5,71.31 ; v1(62.5,71.31) R72.1 ; U2.43 U2.44 33.21,62.66 C8.1 ; 43.77,27.85 R12.1 ; 43.77,27.85 44.28,27.85 v1(45.2,28.77) ; R1.2 v1(49.1,62.17) ; U2.22 24.21,64.66 ; R47.1 v1(30,57.17) ; C30.1 44.68,46.92 U3.72 43.75,47.33 v1(43.75,47.92) ; 61.5,47.61 62.25,47.61 ; 62.25,47.61 v1(63.03,48.39) 64.44,49.81 IC4.2 ; 62.25,47.61 63.22,47.61 ; U1.8 v1(42.85,66.17) 42.85,65.67 C3.1 ; R9.1 R8.1 R5.1 ; U2.10 27.75,69.41 ; v1(28.25,50.42) C21.1 30.43,50.17 U3.95 ; 29.93,19.01 27.41,19.01 v1(27.25,19.17) ; U3.52 44.68,36.92 C27.1 v1(46,37.17) ; 44.3,22.07 v1(44.3,22.77) IC1.3 ; v1(70,23.97) 70.35,23.62 U6.14 ; C50.2 v1(68.53,16.77) C51.1 ; U2.33 27.75,60.12 ; v1(34.2,47.17) 34.4,47.37 35.4,47.37 35.93,47.89 U3.84 35.93,49.99 C31.1 36.5,51.42 v1(36.5,51.67) ; R80.2 v1(78.75,67.96) ; v1(86.85,28) J12.1
  Top w0.254: 32.51,4.5 U4.5
  Top w0.3: C48.2 31.12,4.37 27.25,8.24 v1(27.25,19.17)
  In2.Cu w0.2: v1(40.66,25.17) 41.9,25.17 v1(44.3,22.77)
  In3.Cu w0.2: J15.01 86.52,43.76 v1(87.16,44.39) ; J11.01 86.76,27.91 v1(86.85,28) ; v1(42.25,49.73) 42.25,49.42 v1(43.75,47.92)
  In3.Cu w0.5: 14,48.17 3.5,48.17 3,48.67 2.95,48.62 2.32,48.62 J2.1 ; 14,48.17 16,50.17 16,48.17 14,48.17
+5V: length 198.7
  Top w0.2: J6.2 C36.1 3.2,38.44 3.2,33.87 R53.1 ; U7.14 78.03,25.1 v1(78.03,25.62) C52.1 v1(79.26,26.62) ; R97.2 v1(79.65,25.37) ; v1(64.03,23.8) 64.6,23.23 U6.1 64.6,24.24 C49.1 ; 86,71.17 v1(85,72.17) ; 65.07,24.87 v1(64.03,25.91)
  In2.Cu w0.2: v1(78.03,25.62) 79.16,25.62 79.71,26.17 ; 79.71,26.17 v1(79.26,26.62) ; 79.71,26.17 v1(90.37,26.17)
  In3.Cu w0.2: J6.2 2,35.41 4.67,32.74 5.49,32.74 6.07,32.16 6.07,31.34 7.21,30.2 8.03,30.2 8.61,29.62 8.61,28.8 9.75,27.66 14.76,27.66 26,16.42 34,16.42 44.92,27.34 62.69,27.34 62.72,27.31 ; 76.34,27.31 v1(78.03,25.62) ; 76.34,27.31 62.72,27.31 ; 76.34,27.31 78.57,27.31 v1(79.26,26.62) ; v1(78.03,25.62) 79.4,25.62 v1(79.65,25.37) 79.65,26.23 v1(79.26,26.62) ; v1(78.03,25.62) 78.26,25.62 v1(79.26,26.62) ; v1(90.37,26.17) 90.37,30.68 93.35,33.66 93.35,68.54 89.72,72.17 v1(85,72.17) ; v1(64.03,23.8) v1(64.03,25.91) 64.03,26 62.72,27.31
/Antenna/3V3_ANT_DEPLOY: length 144.9
  Top w0.2: 9,79.69 9,76.09 J3.50 8.92,76.17
  In3.Cu w0.2: 12.98,81.69 9.17,77.88 9.17,75.92 J3.50 ; 12.98,81.69 13.05,81.75 ; 12.98,81.69 13.05,81.75 ; 13.05,81.75 36.52,81.75 37.33,80.94 60.67,80.94 61.44,80.17 v1(64.25,80.17) ; v1(64.41,77.97) 71.81,70.57 v1(71.81,57.82) ; v1(71.77,55.52) 71.77,30.46 77.88,30.46 84.75,23.59 J21.1 87.06,22.86 87.06,18.07 J21.6
  Bottom w0.2: v1(71.77,55.52) 71.81,55.56 v1(71.81,57.82) ; v1(64.25,80.17) 64.25,78.13 v1(64.41,77.97)
/Connectors/3V3_CAM: length 147.6
  Top w0.2: J3.48 8.61,73.94 8.61,75.34 8.03,75.92 7.78,75.92 6.63,77.06 6.63,79.04 4.5,81.17 ; v1(65.46,6.25) 65.53,6.32 J7.1
  In3.Cu w0.2: v1(65.46,6.25) 66.22,7.01 66.22,17.36 66.23,17.37 66.23,17.87 66.22,17.88 66.22,22.62 v1(69.21,25.61) ; J3.48 11.15,73.38 11.15,77.67 13.56,80.08 v1(58.75,80.08) ; v1(61.68,77.89) 69.23,70.34 v1(69.23,57.71) ; v1(69.21,30.21) 69.21,55.52 v1(69.22,55.53)
  Bottom w0.2: v1(69.21,25.61) v1(69.21,30.21) ; v1(69.22,55.53) 69.22,57.7 v1(69.23,57.71) ; v1(61.68,77.89) 60.94,77.89 v1(58.75,80.08)
/Connectors/3V3_IN: length 5.9
  In3.Cu w0.3: J2.2 2.42,47.67 2.52,47.57 2.6,47.57 3.25,46.92 5.01,46.92 ; J4.27 J4.28
/Connectors/5V0_MPI: length 130.6
  In3.Cu w0.2: J3.51 14.5,79.27 32,79.27 32.1,79.17 76.85,79.17 89.01,67.01 89.01,20.91 90.07,19.85 J22.4
/Connectors/5V_IN: length 5.8
  In3.Cu w0.2: J6.1 2.49,44.45 J4.26 J4.25
/Connectors/VBAT_MONITOR: length 68.5
  Top w0.2: v1(17.03,33.19) 14.94,35.28 9.75,35.28 9.46,35.57 v1(6.2,35.57) ; v1(37.5,28.92) 37.43,28.84 U3.28 ; R50.2 R51.1 3.28,62.04 3.28,59.84 4.98,58.14 v1(6.17,58.14)
  In2.Cu w0.2: v1(17.03,33.19) v1(37,33.19)
  Bottom w0.2: v1(6.2,35.57) 6.17,35.6 v1(6.17,58.14) ; v1(37.5,28.92) 37.35,29.07 37.35,32.84 v1(37,33.19)
GND: length 168.3
  Top w0.186: 49.99,9.4 50,6.43 49.99,6.44
  Top w0.2: C23.2 36.13,23.46 36.13,21.77 35.53,21.17 34.5,21.17 34,21.67 v1(34,21.92) ; 27.32,23.81 25.91,23.81 25.4,24.32 25.4,25.85 ; v1(48.37,70.75) 50.03,70.75 ; IC5.10 v1(73.57,31.49) ; C34.2 19.45,36.42 v1(19.4,36.37) ; 85.75,87.55 87.05,87.55 ; C48.1 v1(30.5,2.82) 30.35,2.82 ; v1(38.94,24.67) C32.2 38.43,26.65 U3.30 U3.31 ; v1(38.94,24.67) C16.2 ; v1(38.94,24.67) 38.94,25.17 C25.2 39.69,24.69 ; 18.67,31.92 C22.2 20.67,29.92 U3.143 ; U3.94 30.93,50.21 C21.2 31.13,51.28 v1(30.75,51.67) ; 42.15,83.57 42.15,85.95 ; C30.2 44.72,46.42 U3.71 ; C33.2 24.42,50.17 24.42,48.83 24.42,49.67 C18.2 ; C33.2 24.17,50.92 ; C33.2 C18.2 ; J25.S2 v1(67.89,86.13) 68.8,85.22 ; J23.3 J23.4 ; C51.2 v1(65.63,17.62) ; 28.22,21.76 28.22,22.26 27.38,23.11 Y2.5 ; 28.22,21.76 Y2.9 ; 28.22,21.76 v1(28.22,20.67) 28.2,20.65 ; v1(44.85,65.42) C3.2 ; J24.S1 49.94,85.29 49.47,85.29 ; 49.47,85.29 49.05,85.72 50.12,85.72 ; 49.47,85.29 R103.2 ; 24.17,50.92 C18.2 ; 24.17,50.92 24.17,51.42 ; J25.2 71.3,85.87 v1(72.31,86.88) 73.2,87.77 J25.S1 ; C14.2 v1(24.06,66.36) ; J12.S2 v1(92.75,37.92) ; v1(45.35,24.34) 45.37,24.36 45.37,24.5 IC1.4 IC1.5 ; 23.75,13.92 D3.1 ; C17.2 20.64,41.42 U3.120 v1(23.46,41.42) ; v1(36.5,47.42) 36.43,47.49 U3.83 36.43,50.21 ; Y1.2 18.8,63.97 ; Y1.2 v1(15.5,65.67) ; Y1.2 17.64,66.21 C1.2 ; C15.2 32.43,21.78 32.42,21.78 ; U3.38 44.72,29.92 C35.2 ; C28.2 44.72,41.42 U3.61 42.25,41.42 v1(41.88,41.79) 41.75,41.92 ; 43.55,89.22 42.48,89.22 ; IC4.10 v1(73.79,43.46) ; J23.S1 v1(81.45,2.65) ; Y1.4 20,64.67 v1(20.5,64.67) ; v1(65.61,15.86) 65.62,15.87 C50.1 ; R96.1 75.63,15.37 v1(75.65,15.39) ; J12.S1 v1(92.75,30.42) ; v1(23.71,36.42) U3.130 20.67,36.42 ; C27.2 44.72,36.42 U3.51 42.47,36.42 42.22,36.67 40.25,36.67 v1(39.5,35.92) ; 85.82,5.2 v1(86.84,4.19) J23.S2 ; C2.2 18.81,63.48 ; 24.15,65.86 U2.19 26.04,65.86 26.35,66.17 26.39,66.13 U2.57 ; v1(32.43,21.66) 32.45,21.64 ; C49.2 68.53,26.62 C52.2 ; R49.2 18.67,31.97 ; U6.7 v1(64.6,18.18) ; SW2.4 46.18,58.42 41.02,58.42 SW2.3 ; 49.05,89.22 50.12,89.22 ; C6.2 C8.2 ; 22.75,65.17 v1(22.88,65.04) 23.06,64.86 C4.2 ; 34.18,60.35 v1(34.6,60.77) ; v1(27.2,71.17) 27.6,70.77 C12.2 ; 43.55,85.72 42.48,85.72 ; v1(32.75,71.17) 32.1,70.52 C13.2 ; C11.2 34.52,64.81 C5.2 ; v1(30.22,24.92) C20.2 31.43,26.13 U3.16 ; C10.2 v1(29.4,59.1) 31.31,59.1 C9.2 33.27,60.06 C7.2 ; v1(91.55,33.47) 90.43,33.47
  In3.Cu w0.2: 11.4,45.75 J3.28
  In3.Cu w0.5: J3.27 11.4,45.69 11.4,45.57 ; 11.3,43.05 J3.24 J3.22 ; 11.4,45.57 11.4,45.75 ; 11.4,45.57 11.4,43.15 ; 11.3,45.85 J3.28
  vias: v1(40.17,8.97) v1(40.17,6.43) v1(40.17,3.89) v1(40.17,1.35) v1(40.81,10.24) v1(40.81,5.16) v1(41.44,8.97) v1(41.44,3.89) v1(42.08,10.24) v1(42.08,5.16) v1(42.71,8.97) v1(42.71,3.89) v1(43.35,10.24) v1(43.98,1.35) v1(44.62,17.86) v1(44.62,2.62) v1(45.25,19.13) v1(45.25,16.59) v1(45.25,1.35) v1(45.89,22.94) v1(45.89,20.4) v1(45.89,17.86) v1(46.52,21.67) v1(46.52,16.59) v1(47.16,20.4) v1(47.16,5.16) v1(47.79,14.05) v1(47.79,3.89) v1(48.43,20.4) v1(48.43,15.32) v1(48.43,5.16) v1(49.06,24.21) v1(49.06,19.13) v1(49.06,16.59) v1(49.06,6.43) v1(49.06,3.89) v1(49.06,1.35) v1(49.7,22.94) v1(49.7,7.7) v1(49.7,5.16) v1(49.7,2.62) v1(50.33,24.21) v1(50.33,6.43) v1(50.33,3.89) v1(50.33,1.35) v1(50.97,22.94) v1(50.97,7.7) v1(50.97,5.16) v1(50.97,2.62) v1(51.6,16.59) v1(51.6,3.89) v1(52.24,20.4) v1(52.24,15.32) v1(52.24,5.16) v1(52.87,14.05) v1(52.87,11.51) v1(52.87,3.89) v1(53.51,20.4) v1(54.14,24.21) v1(54.14,21.67) v1(54.14,19.13) v1(54.14,16.59) v1(54.14,11.51) v1(54.78,22.94) v1(54.78,20.4) v1(54.78,17.86) v1(54.78,2.62) v1(55.41,21.67) v1(55.41,19.13) v1(55.41,16.59) v1(55.41,11.51) v1(55.41,1.35) v1(56.05,2.62) v1(56.44,10.24) v1(56.68,16.59) v1(56.68,14.05) v1(56.68,11.51) v1(56.68,8.97) v1(57.32,15.32) v1(57.32,12.78) v1(57.32,10.24) v1(57.32,5.16) v1(57.95,16.59) v1(57.95,14.05) v1(57.95,11.51) v1(57.95,8.97) v1(57.95,3.89) v1(58.59,12.78) v1(58.59,10.24) v1(58.59,5.16) v1(59.22,11.51) v1(59.22,8.97) v1(59.22,3.89) v1(59.86,10.24) v1(59.86,7.7) v1(59.86,5.16) v1(59.86,2.62) v1(60.49,8.97) v1(60.49,6.43) v1(60.49,3.89) v1(60.49,1.35)
